# Altium PCB Jackson.PcbDoc (part 1 of 2)
Units mm, origin at the board's own origin, x right, y up, seen from the top; angles counter-clockwise.
Board outline 60 x 40 mm, 4 copper layers (Top Layer, Layer 1, Layer 2, Bottom Layer), stack 1.537 mm thick; 125 components, 101 nets, 494 pads, 259 vias.
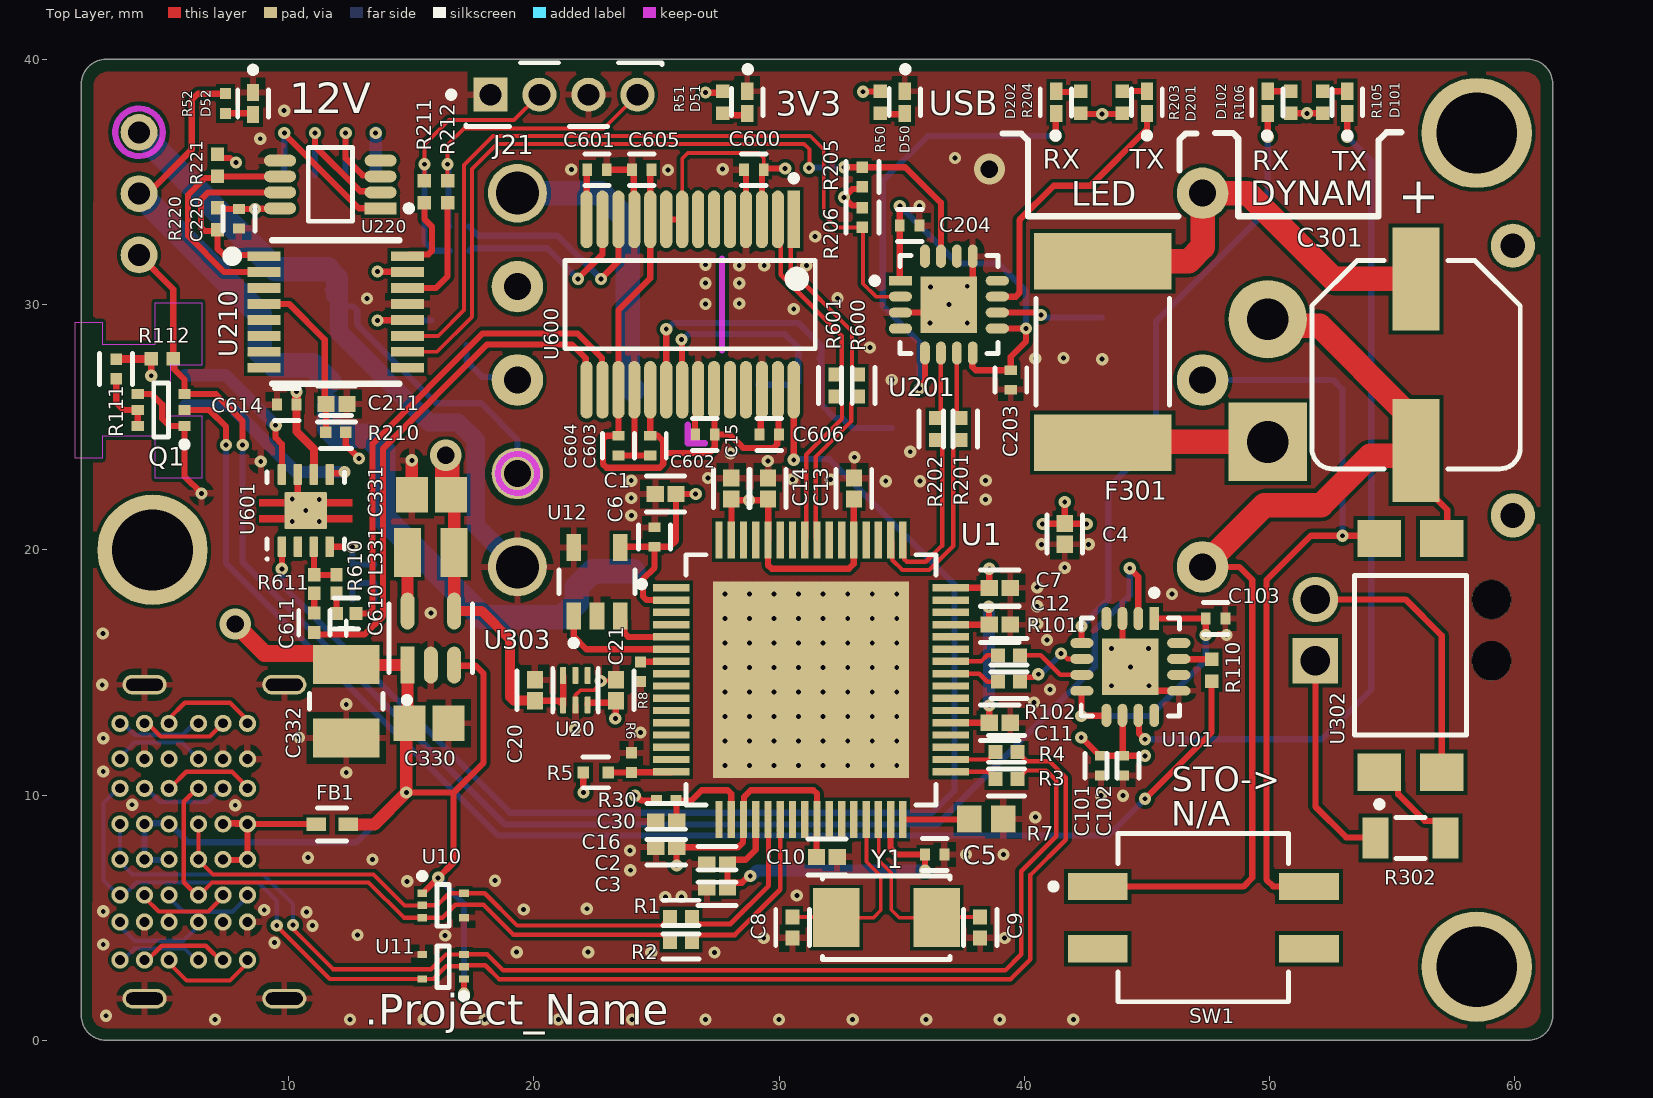
[diagram p0: Top Layer view]
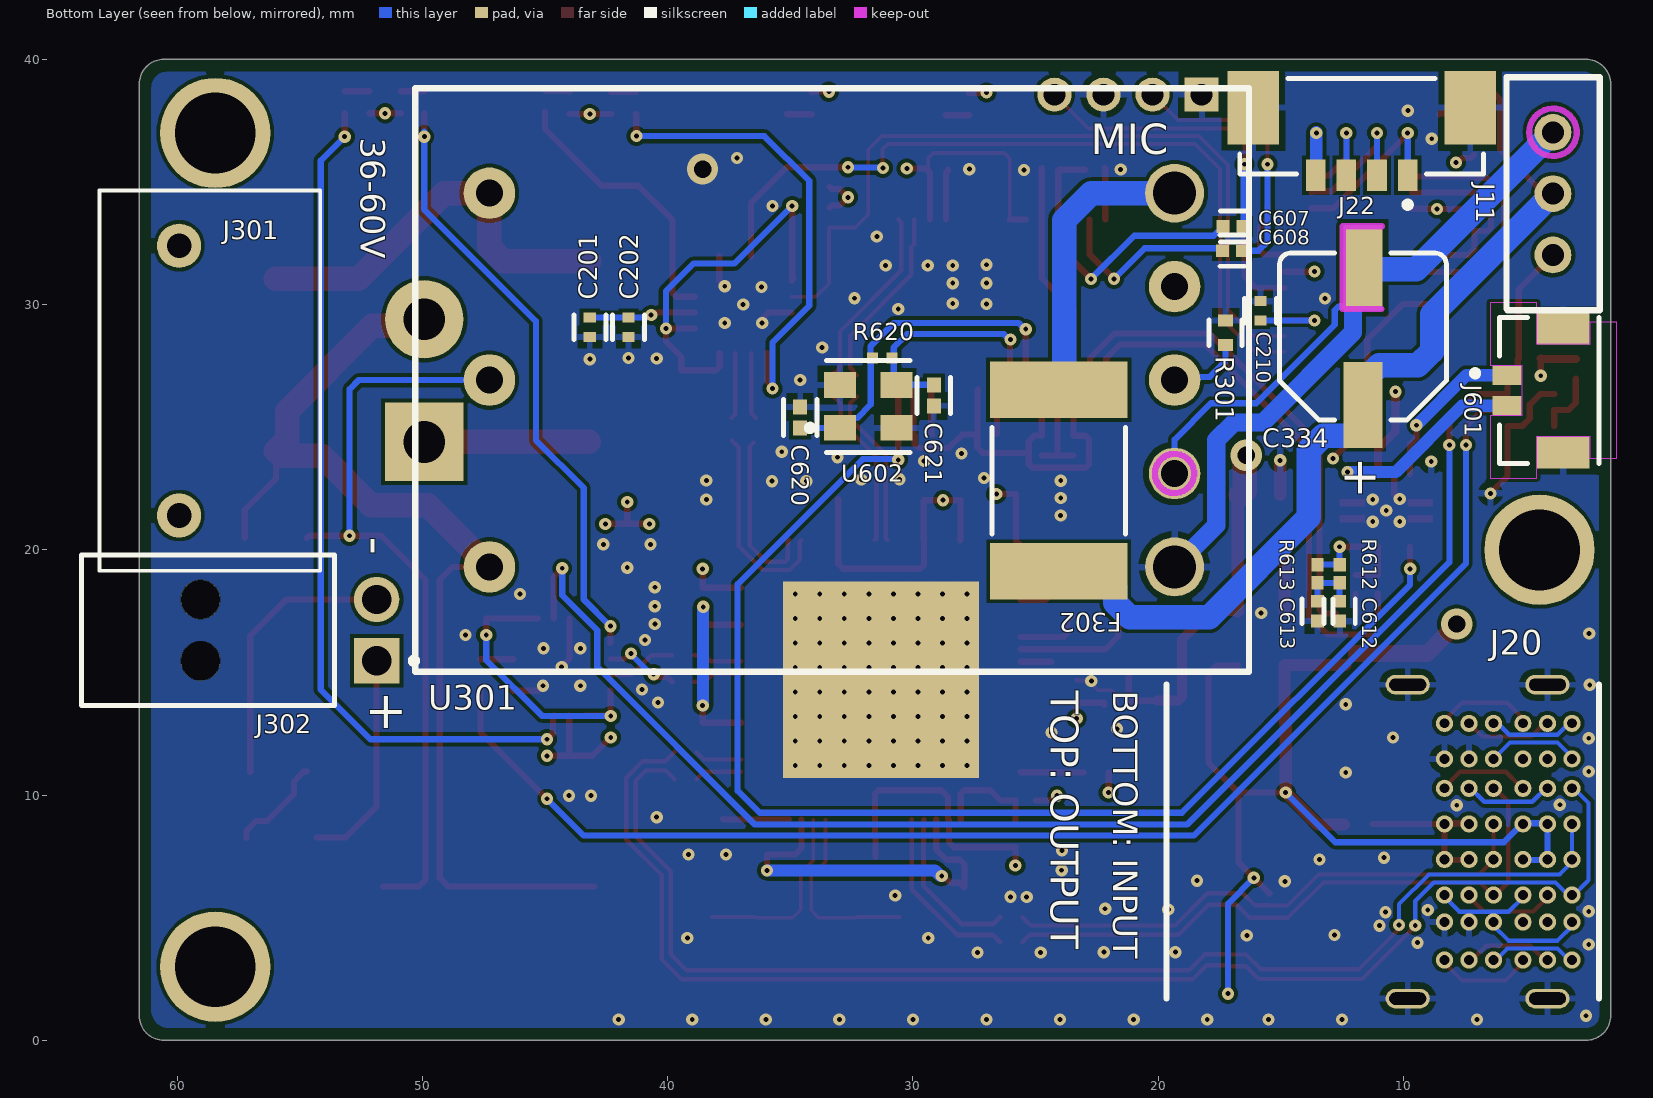
[diagram p1: Bottom Layer view, seen from below]
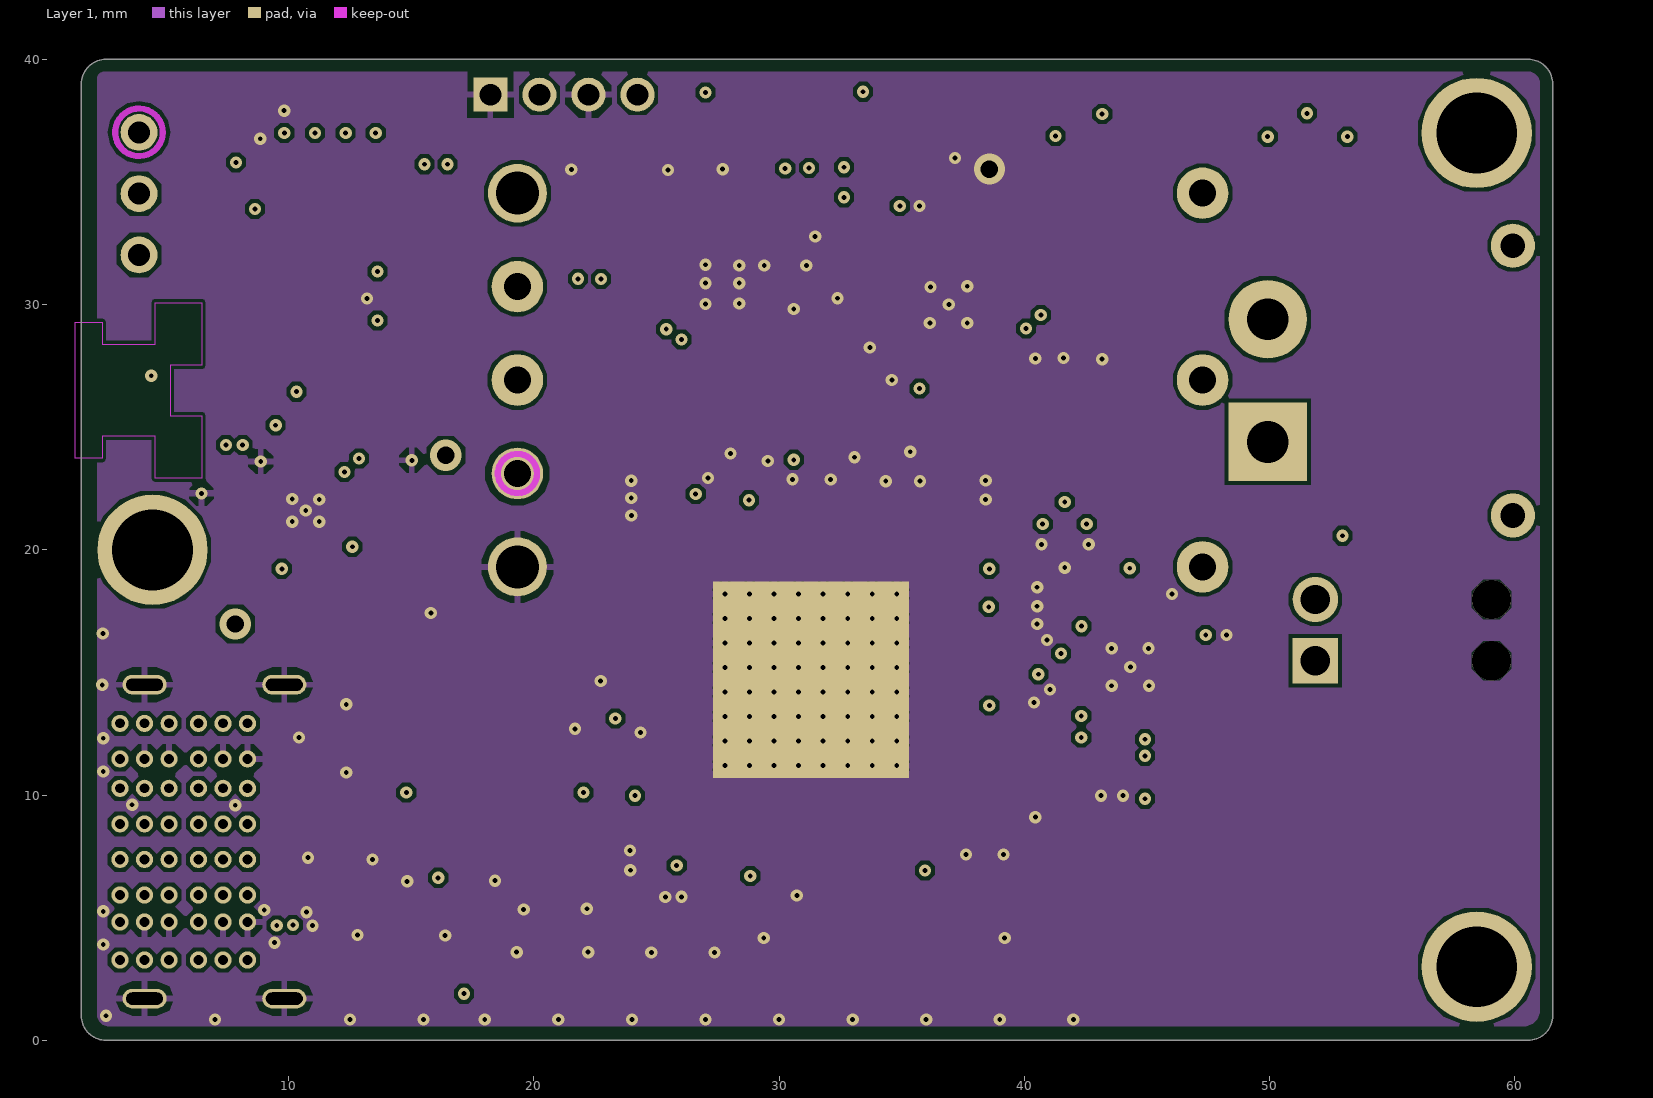
[diagram p2: Layer 1]
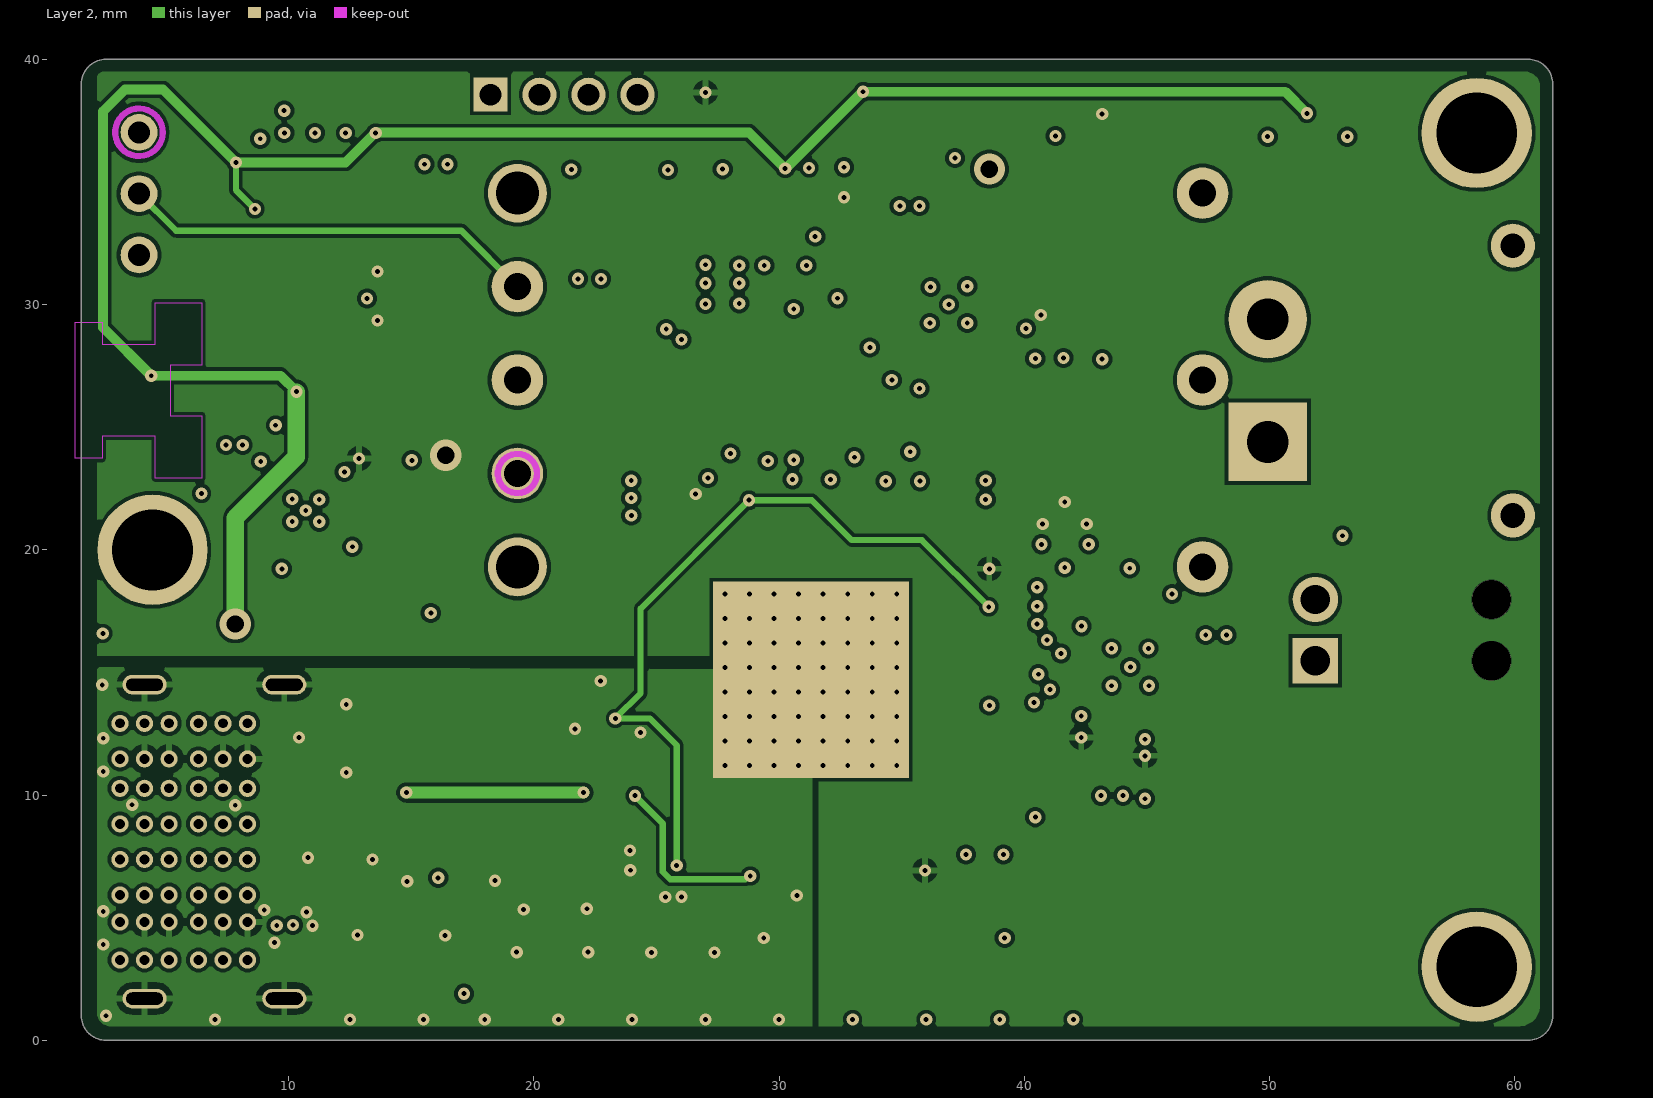
[diagram p3: Layer 2]
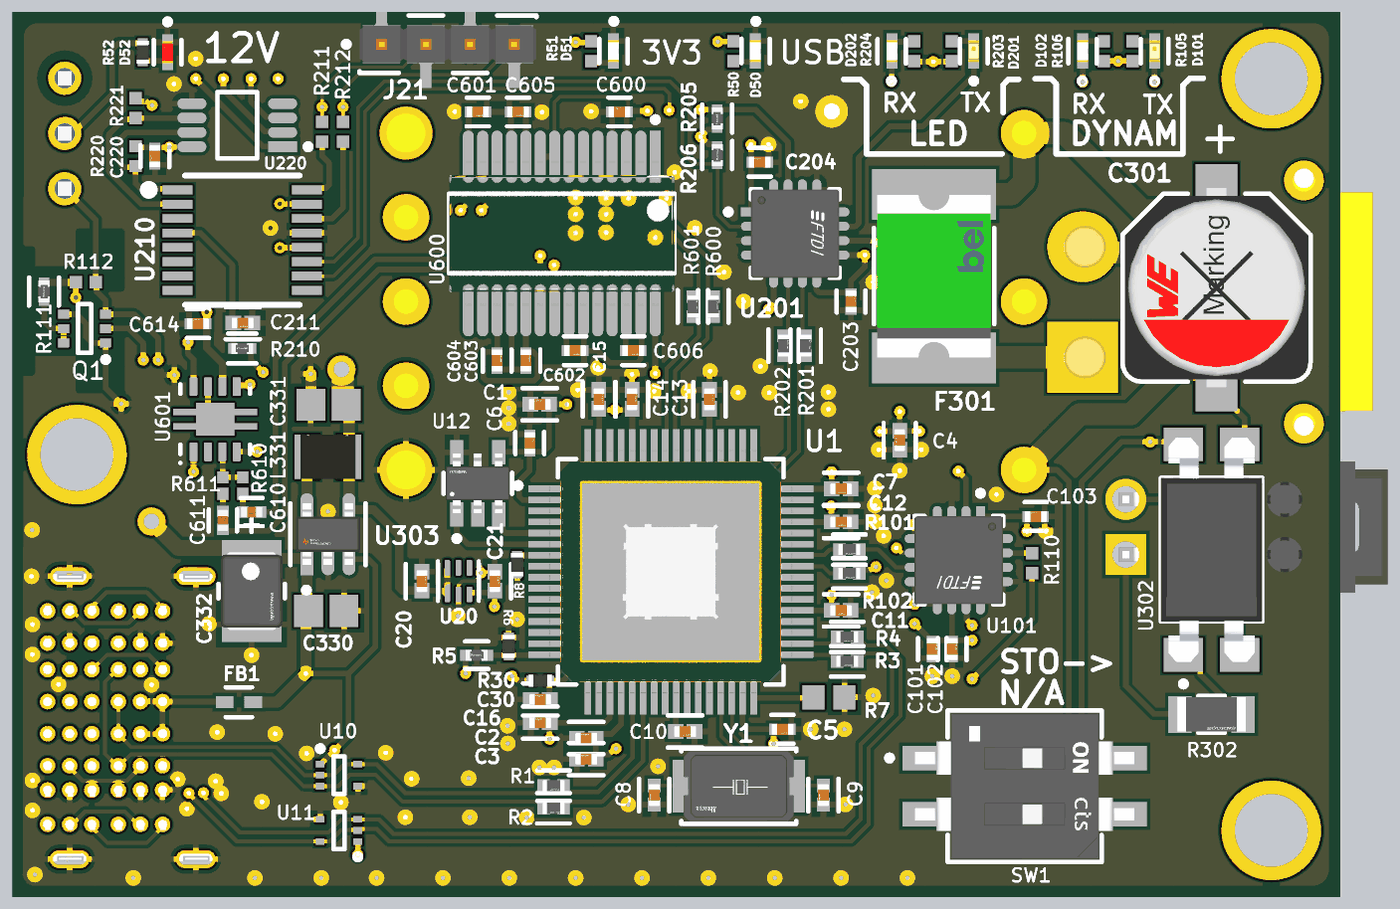
[diagram p5: 3D render of the assembled board from above, using the file's embedded part models]
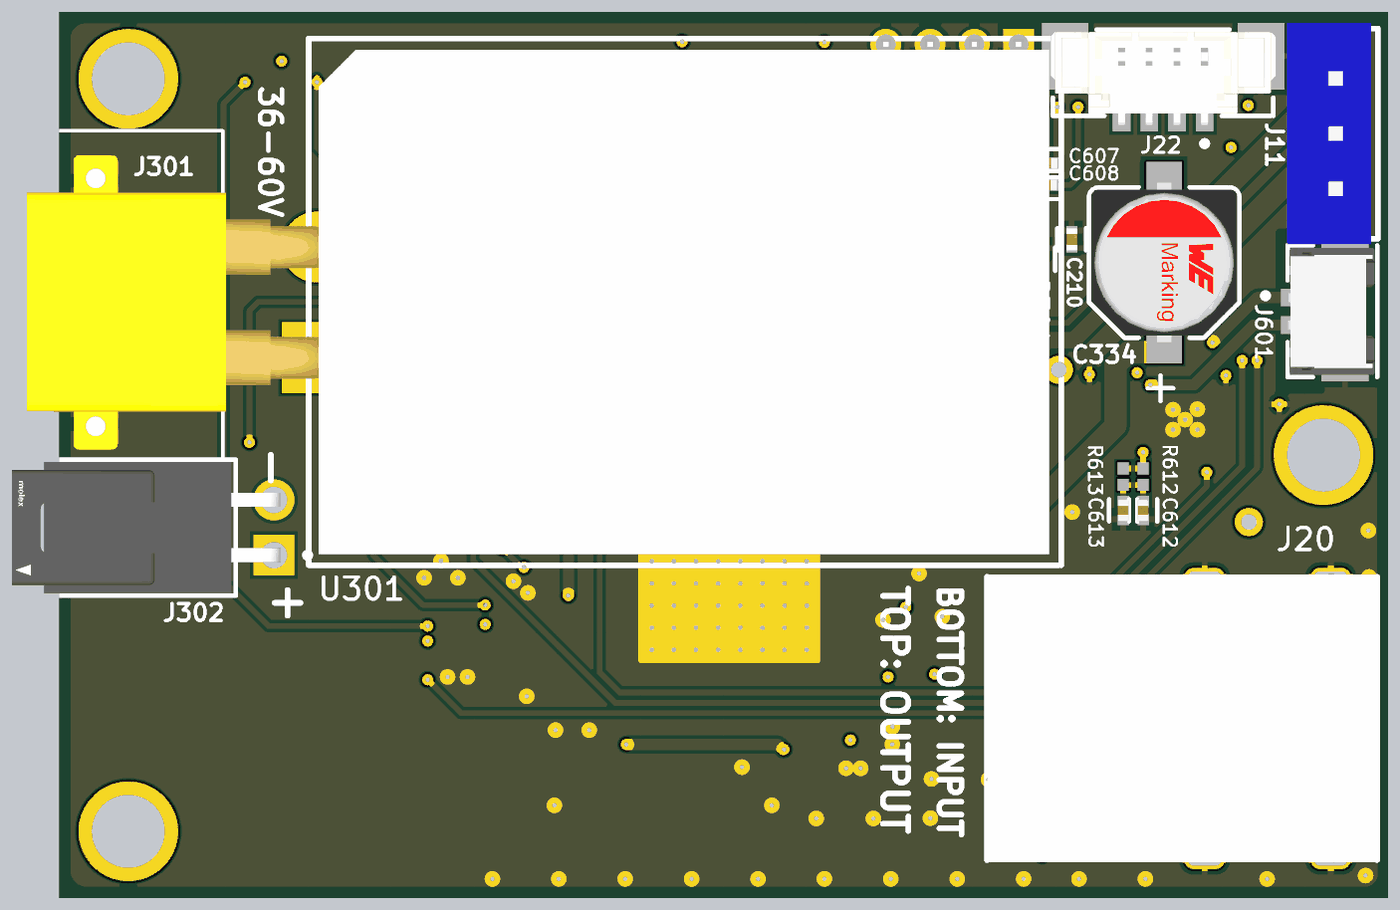
[diagram p6: 3D render of the assembled board from below, using the file's embedded part models]

## Layer stack, top to bottom
Top Solder: solder mask 0.0152, Solder Resist, Dk 3.9
Top Layer: signal copper 0.061
Dielectric 2: prepreg 0.0955, 370HR, Dk 3.81
Layer 1: signal copper 0.0152
Dielectric 1: core 1.1938, 370HR, Dk 4.04
Layer 2: signal copper 0.0152
Dielectric 3: prepreg 0.0955, 370HR, Dk 3.81
Bottom Layer: signal copper 0.061
Bottom Solder: solder mask 0.0152, Solder Resist, Dk 3.9

## Board outline
1.55,1 1.55,39 cw(c2.55,39) 2.55,40 60.55,40 cw(c60.55,39) 61.55,39 61.55,1 cw(c60.55,1) 60.55,0 2.55,0 cw(c2.55,1)

## Design rules (kind name [scope] priority, off if disabled: settings)
Clearance [All] p1: gap=0.152 ignorepadtopadclearanceinfootprint=TRUE except(0: Arc-Hole Track-Hole SMDPad-Hole THPad-Hole Via-Hole Fill-Hole Poly-Hole Region-Hole Text-Hole)
DiffPairsRouting [All] p1: maxlimit=0.254 minlimit=0.254 mostfreqgap=0.254 toplayer_minwidth=0.381 toplayer_maxwidth=0.381 toplayer_prefwidth=0.381 midlayer1_minwidth=0.381 midlayer1_maxwidth=0.381 midlayer1_prefwidth=0.381 midlayer2_minwidth=0.381 midlayer2_maxwidth=0.381 midlayer2_prefwidth=0.381 bottomlayer_minwidth=0.381 bottomlayer_maxwidth=0.381 bottomlayer_prefwidth=0.381 maxuncoupledlength=12.7
MinimumSolderMaskSliver [All] p1: minsoldermaskwidth=0.154
PlaneClearance [All] p1: clearance=0.254
PolygonConnect [All] p1: connectstyle=Relief reliefconductorwidth=0.254 reliefentries=4 polygonreliefangle="90 Angle" airgapwidth=0.254
RoutingVias [All] p1: holewidth=0.711 width=1.27 viastyle="Through Hole" minholewidth=0.711 minwidth=1.27 maxholewidth=0.711 maxwidth=1.27
SilkToSilkClearance [All] p1: silktosilkclearance=0.154
SilkToSolderMaskClearance [IsPad] p1: minsilkscreentomaskgap=0.154 clearancetoexposedcopper=TRUE
SolderMaskExpansion [All] p1: expansion=0.102 istentingtop=FALSE
Width [All] p1: maxlimit=2 minlimit=0.152 preferedwidth=0.254 minimp=50.000000 maximp=50.000000 favimp=50.000000
25 further rules are at their usual default settings.

## Classes and differential pairs
component class "USB Hub IC": C8 C9 C30 R5 R6 R7 R8 R30 U1 U12 Y1
component class "USB Audio": C600 C601 C602 C603 C604 C605 C606 C607 C608 C610 C611 C612 C613 C614 C620 C621 J601 R600 R601 R610 R611 R612 R613 R620 U600 U601 U602
component class "USB 3": J6 J20
component class STO: C18 C23 C24 C34 C36 C301 C330 C331 C332 C334 D5 D52 F1 F2 F301 F302 J2 J3 J301 J302 L1 L331 P1 R23 R24 R29 R52 R301 R302 SW1 U4 U9 U301 U302 U303
component class "USB to UART": C18 C19 C22 C31 C32 C33 C101 C102 C103 D3 D4 D6 D7 D101 D102 J5 J8 J11 Q1 R12 R13 R15 R16 R19 R20 R21 R22 R26 R27 R28 R101 R102 R105 R106 R110 R111 R112 U7 U101
component class "LED Driver": C17 C19 C22 C24 C29 C35 C201 C202 C203 C204 C210 C211 C220 D1 D2 D3 D4 D201 D202 J4 J5 J7 J21 J22 R9 R10 R11 R12 R13 R14 R15 R16 R17 R18 R22 R24 R25 R201 R202 R203 R204 R205 R206 R210 R211 R212 R220 R221 U4 U5 U6 U8 U9 U201 U210 U220
component class "USB Hub": C1 C2 C3 C4 C5 C6 C7 C10 C11 C12 C13 C14 C15 C16 C17 C18 C20 C21 C23 C25 C26 C27 C28 D1 D2 D50 D51 FB1 J3 J4 J6 R1 R2 R3 R4 R9 R10 R11 R17 R18 R19 R50 R51 U2 U3 U4 U6 U8 U10 U11 U20
differential pair USB_DYN: +USB_DYN_P -USB_DYN_N
differential pair USBTOI2C: +USBTOI2C_P -USBTOI2C_N

## Components (designator, comment, footprint, x,y, rotation, side; value= is the part's Value field where it differs from the comment)
C1 "GRM1555C1E103GE01D" FP-GRM155-0_15-IPC_B 25.375,22.275 r180 top
C2 "GRM1555C1E103GE01D" FP-GRM155-0_15-IPC_B 27.475,7.175 r180 top
C3 "GRM1555C1E103GE01D" FP-GRM155-0_15-IPC_B 27.475,6.225 r180 top
C4 "GRM1555C1E103GE01D" FP-GRM155-0_15-IPC_B 41.65,20.65 r270 top
C5 "GRM155R70J105KA12D" FP-GRM155-0_05-MFG 36.35,7.575 r0 top
C6 "GRM155R70J105KA12D" FP-GRM155-0_05-MFG 24.925,20.525 r90 top
C7 "GRM1555C1E103GE01D" FP-GRM155-0_15-IPC_B 39,18.45 r0 top
C8 "GJM1555C1H180JB01D" FP-GJM155-0_05-IPC_B 30.55,4.6 r270 top
C9 "GJM1555C1H180JB01D" FP-GJM155-0_05-IPC_B 38.2,4.6 r270 top
C10 "GRM1555C1E103GE01D" FP-GRM155-0_15-IPC_B 31.95,7.475 r0 top
C11 "GRM1555C1E103GE01D" FP-GRM155-0_15-IPC_B 39,12.95 r0 top
C12 "GRM1555C1E103GE01D" FP-GRM155-0_15-IPC_B 39,16.95 r0 top
C13 "GRM1555C1E103GE01D" FP-GRM155-0_15-IPC_B 33.05,22.5 r90 top
C14 "GRM1555C1E103GE01D" FP-GRM155-0_15-IPC_B 29.55,22.5 r90 top
C15 "GRM1555C1E103GE01D" FP-GRM155-0_15-IPC_B 28.05,22.5 r90 top
C16 "GRM1555C1E103GE01D" FP-GRM155-0_15-IPC_B 25.4,7.875 r180 top
C20 "GRM1555C1E103GE01D" FP-GRM155-0_15-IPC_B 20.05,14.275 r90 top
C21 "GRM1555C1E103GE01D" FP-GRM155-0_15-IPC_B 23.35,14.275 r90 top
C30 "GRM1555C1E103GE01D" FP-GRM155-0_15-IPC_B 25.4,8.925 r180 top
C101 "GRM155R70J105KA12D" FP-GRM155-0_05-MFG 43.125,11.2 r90 top
C102 "GRM155R70J105KA12D" FP-GRM155-0_05-MFG 44.025,11.2 r90 top
C103 "GRM155R70J105KA12D" FP-GRM155-0_05-MFG 47.8,17.2 r180 top
C201 "GRM155R70J105KA12D" FP-GRM155-0_05-MFG 43.175,29.075 r90 bottom
C202 "GRM155R70J105KA12D" FP-GRM155-0_05-MFG 41.6,29.075 r90 bottom
C203 "GRM155R70J105KA12D" FP-GRM155-0_05-MFG 39.45,26.925 r90 top
C204 "GRM155R70J105KA12D" FP-GRM155-0_05-MFG 35.325,33.225 r180 top
C210 "GRM155R70J105KA12D" FP-GRM155-0_05-MFG 15.825,29.75 r90 bottom
C211 "GRM1555C1E103GE01D" FP-GRM155-0_15-IPC_B 11.95,25.95 r0 top
C220 "GRM155R70J105KA12D" FP-GRM155-0_05-MFG 7.975,33.5 r270 top
C301 "875575853004" WCAP-HSG5_D8H10.5 55.975,27.55 r90 top
C330 "C0805C106M8RACTU" CAPC2013X140X50NL20T25 15.727,12.927 r0 top
C331 "C0805C106M8RACTU" CAPC2013X140X50NL20T25 15.825,22.25 r0 top
C332 "6TPS150MUD" FP-POSCAP-B1S-MFG 12.35,13.825 r90 top
C334 "875575345004" WCAP-HSG5_D6.3H7.7 11.65,28.7 r270 bottom
C600 "GRM155R70J105KA12D" FP-GRM155-0_05-MFG 28.975,35.5 r180 top
C601 "GRM155R70J105KA12D" FP-GRM155-0_05-MFG 22.575,35.5 r0 top
C602 "GRM155R70J105KA12D" FP-GRM155-0_05-MFG 26.975,24.7 r0 top
C603 "GRM155R70J105KA12D" FP-GRM155-0_05-MFG 24.75,24.25 r90 top
C604 "GRM155R70J105KA12D" FP-GRM155-0_05-MFG 23.45,24.25 r90 top
C605 "GRM155R70J105KA12D" FP-GRM155-0_05-MFG 24.4,35.5 r0 top
C606 "GRM155R70J105KA12D" FP-GRM155-0_05-MFG 29.6,24.7 r0 top
C607 "C0402C103K3RACTU" FP-C0402-BB-MFG 16.955,33.189 r0 bottom value="10,000 pF"
C608 "C0402C103K3RACTU" FP-C0402-BB-MFG 16.976,32.2 r0 bottom value="10,000 pF"
C610 "C0402C103K3RACTU" FP-C0402-BB-MFG 12.35,17.4 r180 top value="10,000 pF"
C611 "C0402C103K3RACTU" FP-C0402-BB-MFG 11.05,17.025 r90 top value="10,000 pF"
C612 "C0402C103K3RACTU" FP-C0402-BB-MFG 12.6,17.5 r90 bottom value="10,000 pF"
C613 "C0402C103K3RACTU" FP-C0402-BB-MFG 13.5,17.5 r90 bottom value="10,000 pF"
C614 "GRM155R70J105KA12D" FP-GRM155-0_05-MFG 9.922,25.923 r180 top
C620 "GJM1555C1H180JB01D" FP-GJM155-0_05-IPC_B 34.6,25.4 r90 bottom
C621 "GJM1555C1H180JB01D" FP-GJM155-0_05-IPC_B 29.15,26.3 r270 bottom
D50 "APHHS1005CGCK" FP-APHHS1005CGCK-MFG 35.125,38.25 r270 top
D51 "APHHS1005CGCK" FP-APHHS1005CGCK-MFG 28.7,38.25 r270 top
D52 "APHHS1005SURCK" FP-APHHS1005SURCK-MFG 8.55,38.2 r270 top
D101 "APHHS1005LSECK/J4-PF" FP-APHHS1005LSECK-J4-PF-MFG 53.175,38.25 r90 top
D102 "APHHS1005CGCK" FP-APHHS1005CGCK-MFG 49.925,38.25 r90 top
D201 "APHHS1005LSECK/J4-PF" FP-APHHS1005LSECK-J4-PF-MFG 45,38.25 r90 top
D202 "APHHS1005CGCK" FP-APHHS1005CGCK-MFG 41.3,38.25 r90 top
F301 "0ZCF0100AF2A" FP-0ZCF0100AF2A-MFG 43.2,28.075 r90 top
F302 "0ZCF0100AF2A" FP-0ZCF0100AF2A-MFG 24.05,22.825 r270 bottom
FB1 "LI0402E600R-10" FP-LI0402-MFG 11.775,8.8 r0 top
J11 "JST B3B-EH-A" "JST B3B-EH-A" 3.9,34.525 r270 bottom
J20 "USB-C31-D-RA-CS2" "Dual USB C Connector" 9.825,8.1 r270 bottom
J21 "TMM-104-01-S-S" FP-TMM-104-01-S-S-MFG 21.228,38.562 r0 top
J22 "53398-0467" FP-53398-0467-MFG 11.7,37.275 r180 bottom
J301 "XT30PW-M" XT30PW_M 49.925,26.9 r90 bottom
J302 "105313-1102" FP-105313-1102-MFG 58.75,16.725 r270 bottom
J601 "5055680271" FP-5055680271-MFG 4.05,26.5 r270 bottom